# Altium PCB SkyWar.PcbDoc (part 1 of 3)
Units mm, origin at the board's own origin, x right, y up, seen from the top; angles counter-clockwise.
Board outline 85 x 56 mm, 2 copper layers (Top Layer, Bottom Layer), stack 1.67 mm thick; 109 components, 94 nets, 423 pads, 3756 vias.
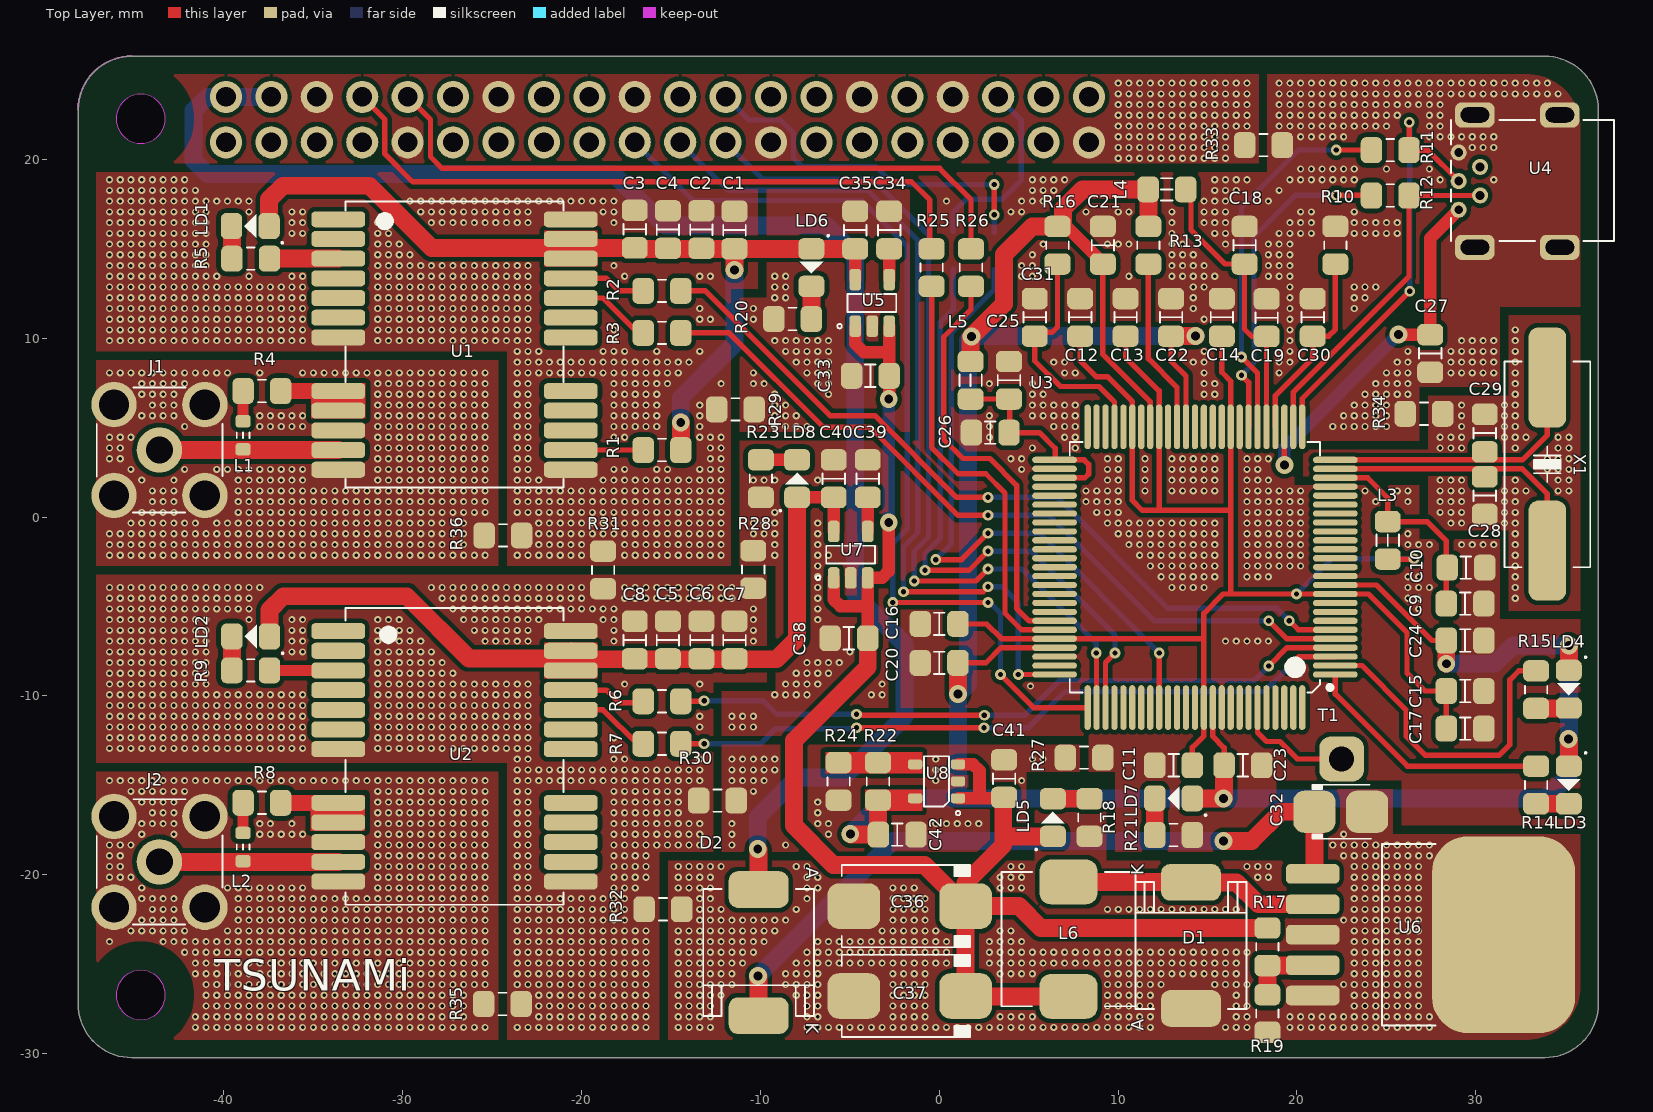
[diagram p0: Top Layer view]
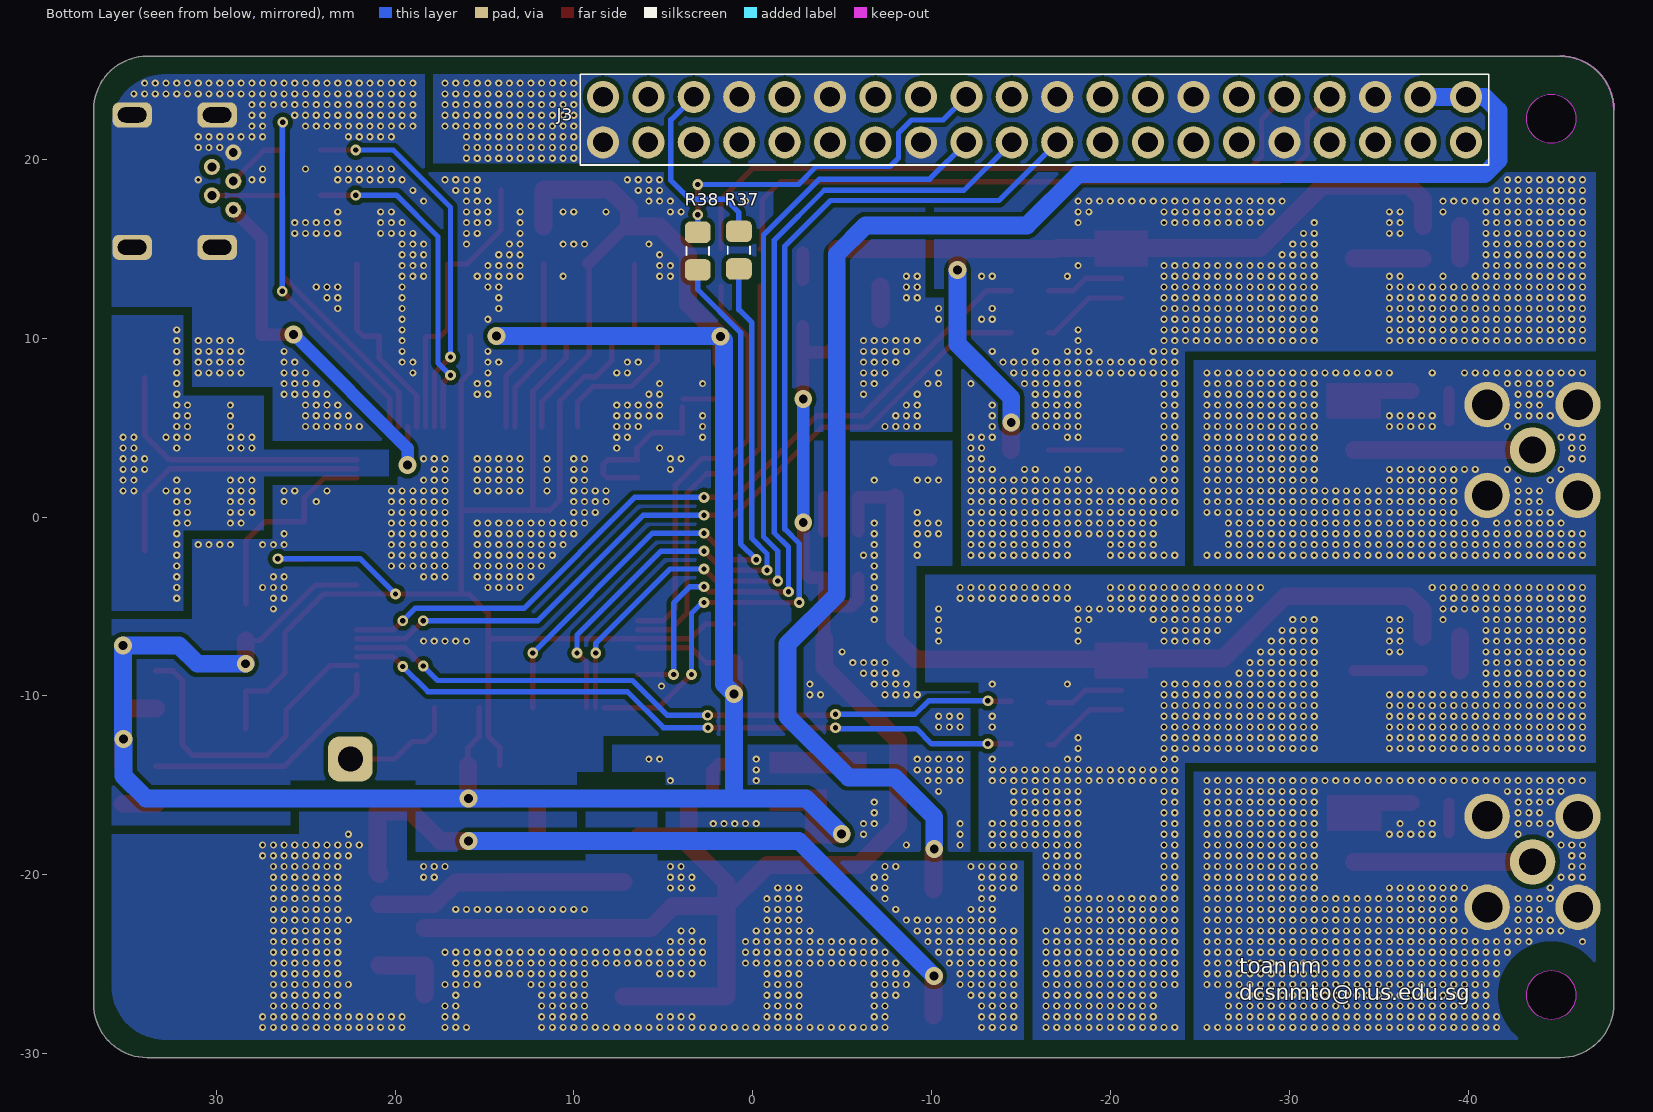
[diagram p1: Bottom Layer view, seen from below]

## Layer stack, top to bottom
Top Solder: solder mask 0.0102, Solder Resist, Dk 3.5
Top Layer: signal copper 0.035
Dielectric 1: dielectric 1.6, FR-4, Dk 4.8
Bottom Layer: signal copper 0.035
Bottom Solder: solder mask 0.0102, Solder Resist, Dk 3.5

## Board outline
-48.15,-27.225 ccw(c-45.15,-27.225) -45.15,-30.225 33.85,-30.225 ccw(c33.85,-27.225) 36.85,-27.225 36.85,22.775 ccw(c33.85,22.775) 33.85,25.775 -45.15,25.775 ccw(c-45.15,22.775) -48.15,22.775
cut-out: -46.025,22.275 ccw(c-44.65,22.275) -44.65,20.9 ccw(c-44.65,22.275) -43.275,22.275 ccw(c-44.65,22.275) -44.65,23.65 ccw(c-44.65,22.275)
cut-out: -46.025,-26.725 ccw(c-44.65,-26.725) -44.65,-28.1 ccw(c-44.65,-26.725) -43.275,-26.725 ccw(c-44.65,-26.725) -44.65,-25.35 ccw(c-44.65,-26.725)

## Design rules (kind name [scope] priority, off if disabled: settings)
Clearance [All] p1: gap=0.254
PolygonConnect [All] p1: connectstyle=Direct reliefconductorwidth=0.254 reliefentries=4 polygonreliefangle="90 Angle" airgapwidth=0.254
RoomDefinition Socket [InComponentClass('Socket')] p1: confinementstyle=ConfineIn formatcopy=TRUE lockcomponents=FALSE outline -324.195,-134.734 -273.395,-134.734 -273.395,-109.334 -324.195,-109.334
RoomDefinition POWER_SUPPLIES [InComponentClass('POWER_SUPPLIES')] p2: confinementstyle=ConfineIn formatcopy=TRUE lockcomponents=FALSE outline -324.195,-134.734 -273.395,-134.734 -273.395,-109.334 -324.195,-109.334
RoomDefinition MCU [InComponentClass('MCU')] p3: confinementstyle=ConfineIn formatcopy=TRUE lockcomponents=FALSE outline -324.195,-134.734 -273.395,-134.734 -273.395,-109.334 -324.195,-109.334
RoomDefinition GNSS_RECV [InComponentClass('GNSS_RECV')] p4: confinementstyle=ConfineIn formatcopy=TRUE lockcomponents=FALSE outline -324.195,-134.734 -273.395,-134.734 -273.395,-109.334 -324.195,-109.334
RoutingVias [All] p1: holewidth=0.3 width=0.6 viastyle="Through Hole" minholewidth=0.3 minwidth=0.6 maxholewidth=1.5 maxwidth=3
SolderMaskExpansion [All] p1: expansion=0.102
Width [All] p1: maxlimit=3 minlimit=0.254 preferedwidth=0.3 minimp=50.000000 maximp=50.000000 favimp=50.000000
30 further rules are at their usual default settings.

## Classes and differential pairs
component class Socket: J3 R25 R26 R37 R38
component class POWER_SUPPLIES: C32 C33 C34 C35 C36 C37 C38 C39 C40 C41 C42 D1 D2 L6 LD5 LD6 LD7 LD8 R17 R18 R19 R20 R21 R22 R23 R24 R27 R28 R29 R30 R31 R32 R33 R34 R35 R36 U5 U6 U7 U8
component class MCU: C9 C10 C11 C12 C13 C14 C15 C16 C17 C18 C19 C20 C21 C22 C23 C24 C25 C26 C27 C28 C29 C30 C31 L3 L4 L5 LD3 LD4 R10 R11 R12 R13 R14 R15 R16 T1 U3 U4 X1
component class GNSS_RECV: C1 C2 C3 C4 C5 C6 C7 C8 J1 J2 L1 L2 LD1 LD2 R1 R2 R3 R4 R5 R6 R7 R8 R9 U1 U2

## Components (designator, comment, footprint, x,y, rotation, side; value= is the part's Value field where it differs from the comment)
C1 "15pF" "C 0805" -11.45,16.05 r270 top
C2 "100nF" "C 0805" -13.3,16.075 r270 top
C3 "100nF" "C 0805" -17.025,16.1 r270 top
C4 "4.7uF" "C 0805" -15.175,16.075 r270 top
C5 "15pF" "C 0805" -15.175,-6.875 r270 top
C6 "100nF" "C 0805" -13.3,-6.875 r270 top
C7 "100nF" "C 0805" -11.45,-6.875 r270 top
C8 "4.7uF" "C 0805" -17.025,-6.875 r270 top
C9 "100nF" "C 0805" 29.4,-4.84 r180 top
C10 "2.2uF" "C 0805" 29.45,-2.825 r180 top
C11 "2.2uF" "C 0805" 13.1,-13.875 r0 top
C12 "100nF" "C 0805" 7.88,11.17 r270 top
C13 "100nF" "C 0805" 10.42,11.17 r270 top
C14 "100nF" "C 0805" 15.8,11.17 r270 top
C15 "100nF" "C 0805" 29.4,-9.725 r180 top
C16 "100nF" "C 0805" -0.005,-5.975 r0 top
C17 "100nF" "C 0805" 29.4,-11.825 r180 top
C18 "100nF" "C 0805" 17.07,15.2 r270 top
C19 "2.2uF" "C 0805" 18.3,11.15 r270 top
C20 "10uF" "C 0805" -0.005,-8.15 r0 top
C21 "100nF" "C 0805" 9.15,15.2 r270 top
C22 "100nF" "C 0805" 12.96,11.17 r270 top
C23 "100nF" "C 0805" 16.975,-13.875 r180 top
C24 "100nF" "C 0805" 29.4,-6.9 r180 top
C25 "2.2uF" "C 0805" 3.9,7.65 r270 top
C26 "100nF" "C 0805" 2.85,4.725 r0 top
C27 "10nF" "C 0805" 27.45,9.15 r270 top
C28 "18pF" "C 0805" 30.5,1.2 r90 top
C29 "18pF" "C 0805" 30.5,4.7 r270 top
C30 "15pF" "C 0805" 20.88,11.17 r270 top
C31 "100nF" "C 0805" 5.34,11.17 r270 top
C32 "100uF" "C TATAL 3528" 22.45,-16.475 r0 top
C33 "1uF" "C 0805" -3.85,7.9 r0 top
C34 "0.01uF" "C 0805" -2.8,16.05 r270 top
C35 "2.2uF" "C 0805" -4.7,16.05 r270 top
C36 "470uF" "C TATAL 7343" -1.65,-21.75 r180 top
C37 "470uF" "C TATAL 7343" -1.65,-26.775 r180 top
C38 "1uF" "C 0805" -5.05,-6.775 r0 top
C39 "0.01uF" "C 0805" -4,2.15 r270 top
C40 "2.2uF" "C 0805" -5.9,2.15 r270 top
C41 "4.7uF" "C 0805" 3.625,-14.625 r90 top
C42 "4.7uF" "C 0805" -2.35,-17.75 r0 top
D1 "DIODE SS34" "DIODE SS34" 14.075,-23.95 r90 top
D2 "DIODE SS34" "DIODE SS34" -10.1,-24.35 r270 top
J1 "SMA CONNECTOR" SMA_CONNECTOR -43.605,3.75 r180 top
J2 "SMA CONNECTOR" SMA_CONNECTOR -43.605,-19.275 r180 top
J3 "JP 20x2" "JP 20x2" -15.755,22.225 r0 bottom
L1 "22uH" "L 0603" -38.925,4.575 r270 top
L2 "22uH" "L 0603" -38.925,-18.45 r270 top
L3 "47nH" "L 0805" 25.075,-1.3 r90 top
L4 "47nH" "L 0805" 12.725,18.32 r0 top
L5 "47nH" "L 0805" 1.75,7.65 r270 top
L6 "100uH" "L 4600" 7.225,-26.6 r270 top
LD1 "LED 0805" "LED 0805" -38.525,16.275 r180 top
LD2 "LED 0805" "LED 0805" -38.5,-6.675 r180 top
LD3 "LED 0805" "LED 0805" 35.2,-14.975 r270 top
LD4 "LED 0805" "LED 0805" 35.2,-9.625 r270 top
LD5 "LED 0805" "LED 0805" 6.35,-16.8 r90 top
LD6 "LED 0805" "LED 0805" -7.15,13.95 r270 top
LD7 "LED 0805" "LED 0805" 13.1,-15.725 r180 top
LD8 "LED 0805" "LED 0805" -7.95,2.15 r90 top
R1 "10R" "R 0805" -15.5,3.75 r180 top
R2 "1K5" "R 0805" -15.5,12.65 r0 top
R3 "1K5R" "R 0805" -15.5,10.3 r0 top
R4 "10R" "R 0805" -37.875,7.05 r180 top
R5 "470" "R 0805" -38.5,14.45 r180 top
R6 "1K5" "R 0805" -15.5,-10.3 r0 top
R7 "1K5" "R 0805" -15.5,-12.675 r0 top
R8 "10R" "R 0805" -37.875,-15.975 r0 top
R9 "470" "R 0805" -38.5,-8.575 r180 top
R10 "6K8" "R 0805" 22.15,15.2 r270 top
R11 "39" "R 0805" 25.215,20.52 r0 top
R12 "39" "R 0805" 25.215,17.98 r0 top
R13 "100K" "R 0805" 11.69,15.2 r270 top
R14 "470" "R 0805" 33.375,-14.975 r270 top
R15 "470" "R 0805" 33.375,-9.65 r270 top
R16 "10K" "R 0805" 6.61,15.2 r90 top
R17 "2K2" "R 0805" 18.35,-24.025 r90 top
R18 "470" "R 0805" 8.4,-16.8 r90 top
R19 "1K" "R 0805" 18.35,-27.75 r90 top
R20 "470" "R 0805" -8.2,11.075 r0 top
R21 "470" "R 0805" 13.1,-17.775 r180 top
R22 "39K" "R 0805" -3.425,-14.775 r90 top
R23 "470" "R 0805" -9.975,2.15 r90 top
R24 "12K" "R 0805" -5.625,-14.775 r270 top
R25 "1K5R" "R 0805" -0.425,13.95 r270 top
R26 "1K5R" "R 0805" 1.775,13.95 r270 top
R27 "0" "R 0805" 8.1,-13.45 r0 top
R28 "0" "R 0805" -10.4,-2.925 r270 top
R29 "0" "R 0805" -11.4,6.025 r180 top
R30 "0" "R 0805" -12.4,-15.85 r0 top
R31 "0" "R 0805" -18.8,-2.95 r90 top
R32 "0" "R 0805" -15.45,-21.925 r180 top
R33 "0" "R 0805" 18.125,20.8 r180 top
R34 "0" "R 0805" 27.1,5.775 r0 top
R35 "0" "R 0805" -24.425,-27.225 r180 top
R36 "0" "R 0805" -24.4,-1.025 r180 top
R37 "0R" "R 0805" 0.775,14.925 r270 bottom
R38 "0R" "R 0805" 3.075,14.875 r270 bottom
T1 "TESTPOINT" TEST_POINT 22.5,-13.525 r0 top
U1 "UBLOX_NEO_7M" UBLOX_M8 -27.355,10.05 r90 top
U2 "UBLOX_6M" UBLOX_6P -27.28,-13.1 r90 top
U3 "SAM3A8C" SAM3A8C 14.295,-2.8 r180 top locked
U4 "USB MINI" "USB MINI DIP" 33.62,18.635 r270 top
U5 "LP2985" LP2985 -3.75,11.975 r90 top
U6 "LM2576 ADJ" "LM2576 ADJ" 27.75,-28.425 r180 top
U7 "LP2985" LP2985 -4.95,-2.1 r90 top
U8 "AP7365 ADJ" "AP7365 ADJ" -0.15,-14.775 r180 top
X1 "12MHz" XTAL 34,7.7 r90 top

## Footprints (in the part's own frame and the unit in brackets; to place one, negate y for a bottom-side part, rotate by r counter-clockwise, add the part's x,y. Pads: shape width x height; smd on the part's side, far side on the other; paste and mask are expansions set on the pad)
"AP7365 ADJ" [mm] "SOT23, 5-Leads, Body 2.95x2.75mm, Pitch 0.95mm, IPC Low Density"
  rrect50% 0.8x0.55 smd: 1(-1.2,0.95) 2(-1.2,0) 3(-1.2,-0.95) 4(1.2,-0.95) 5(1.2,0.95)
  silkscreen extent -1.33,-1.4 0.7,1.9, body extent -1.2,-1.5 1.2,1.5, height 1.13
"C 0805" [mm] "Chip Capacitor, 2-Leads, Body 2.00x1.20mm, IPC Low Density"
  rrect50% 1.2x1.45 smd: 1(-1.05,0) 2(1.05,0)
  silkscreen extent -0.3,-0.63 0.3,0.63, body extent -1.02,-0.73 1.17,0.72, height 0.89
"C TATAL 3528" [mm] "Molded Capacitor, 2-Leads, Body 3.50x2.80mm, IPC Low Density"
  rrect50% 2.35x2.35 smd: 1(-1.475,0) 2(1.475,0)
  silkscreen extent -1.6,-1.51 1.7,1.51, body extent -1.75,-1.51 1.95,1.42, height 2.03
"C TATAL 7343" [mm] "Molded Capacitor, 2-Leads, Body 7.30x4.30mm, IPC Low Density"
  rrect50% 2.95x2.55 smd: 1(-3.125,0) 2(3.125,0)
  silkscreen extent -3.37,-2.3 3.8,2.3, body extent -3.57,-2.25 3.83,2.2, height 3.01
"DIODE SS34" [mm] "SODFL, 2-Leads, Body 5.90x7.94mm, IPC Low Density"
  rrect50% 2.05x3.35 smd: A(-3.525,0) K(3.525,0)
  silkscreen extent -3.55,-3.1 3.55,3.1, body extent -4.04,-3 4.09,3.1, height 2.4
"JP 20x2" [mm]
  round 1.8 hole 1.1: 1(-24.13,-1.27) 2(-21.59,-1.27) 3(-19.05,-1.27) 4(-16.51,-1.27) 5(-13.97,-1.27) 6(-11.43,-1.27) 7(-8.89,-1.27) 8(-6.35,-1.27) 9(-3.81,-1.27) 10(-1.27,-1.27) 11(1.27,-1.27) 12(3.81,-1.27) 13(6.35,-1.27) 14(8.89,-1.27) 15(11.43,-1.27) 16(13.97,-1.27) 17(16.51,-1.27) 18(19.05,-1.27) 19(21.59,-1.27) 20(24.13,-1.27) 21(24.13,1.27) 22(21.59,1.27) 23(19.05,1.27) 24(16.51,1.27) 25(13.97,1.27) 26(11.43,1.27) 27(8.89,1.27) 28(6.35,1.27) 29(3.81,1.27) 30(1.27,1.27) 31(-1.27,1.27) 32(-3.81,1.27) 33(-6.35,1.27) 34(-8.89,1.27) 35(-11.43,1.27) 36(-13.97,1.27) 37(-16.51,1.27) 38(-19.05,1.27) 39(-21.59,1.27) 40(-24.13,1.27)
  silkscreen extent -25.4,-2.54 25.4,2.54, body extent -25.4,-2.54 25.4,2.54, height 4.5
"L 0603" [mm] "Chip Inductor, 2-Leads, Body 1.60x0.80mm, IPC Low Density"
  rrect50% 0.7x0.85 smd: 1(-0.788,0) 2(0.787,0)
  silkscreen extent -0.15,-0.35 0.15,0.35, body extent -0.8,-0.4 0.8,0.4, height 0.45
"L 0805" [mm] "Chip Inductor, 2-Leads, Body 2.00x1.20mm, IPC Low Density"
  rrect50% 1.2x1.45 smd: 1(-1.05,0) 2(1.05,0)
  silkscreen extent -0.32,-0.63 0.33,0.63, body extent -1,-0.62 1,0.62, height 0.52
"L 4600" [mm] "Precision Wire Wound Inductor, 2-Leads, Body 7.30x7.30mm, IPC Low Density"
  rrect50% 2.5x3.25 smd: 1(-6.2,0) 2(0.2,0)
  silkscreen extent -6.75,-3.75 0.75,3.75, body extent -6.71,-3.63 0.71,3.67, height 4.55
"LED 0805" [mm] "Chip Diode, 2-Leads, Body 2.00x1.20mm, IPC Low Density"
  rrect50% 1.2x1.45 smd: 1(-1.05,0) 2(1.05,0)
  silkscreen extent -1.84,-0.65 0.32,0.99, body extent -1.01,-0.62 1.01,0.63, height 1.12
"LM2576 ADJ" [mm]
  rrect50% 3x1.1 smd: 1(6.875,-8.475) 2(6.875,-6.775) 3(6.875,-5.075) 4(6.875,-3.375) 5(6.875,-1.675)
  rrect50% 8x11 smd: 3(-3.8,-5.075)
  silkscreen extent 0,-10.15 3,0, body extent -6.59,-10.16 7.43,0, height 4.66
LP2985 [mm] "SOT23, 5-Leads, Body 2.90x2.80mm, Pitch 0.95mm, IPC Low Density"
  rrect50% 1.2x0.65 smd: 1(-1.3,0.95) 2(-1.3,0) 3(-1.3,-0.95) 4(1.3,-0.95) 5(1.3,0.95)
  silkscreen extent -1.42,-1.35 0.5,1.95, body extent -1.4,-1.48 1.4,1.43, height 1.45
"R 0805" [mm] "Chip Capacitor, 2-Leads, Body 2.00x1.20mm, IPC Low Density"
  rrect50% 1.2x1.45 smd: 1(-1.05,0) 2(1.05,0)
  silkscreen extent -0.23,-0.63 0.22,0.63, body extent -1.15,-0.67 1.15,0.68, height 0.76
SAM3A8C [mm] "TSQFP, 100-Leads, Body 14.00x14.00mm, Pitch 0.50mm, IPC Low Density"
  oval 2.5x0.35 smd: 1(-7.85,6) 2(-7.85,5.5) 3(-7.85,5) 4(-7.85,4.5) 5(-7.85,4) 6(-7.85,3.5) 7(-7.85,3) 8(-7.85,2.5) 9(-7.85,2) 10(-7.85,1.5) 11(-7.85,1) 12(-7.85,0.5) 13(-7.85,0) 14(-7.85,-0.5) 15(-7.85,-1) 16(-7.85,-1.5) 17(-7.85,-2) 18(-7.85,-2.5) 19(-7.85,-3) 20(-7.85,-3.5) 21(-7.85,-4) 22(-7.85,-4.5) 23(-7.85,-5) 24(-7.85,-5.5) 25(-7.85,-6) 51(7.85,-6) 52(7.85,-5.5) 53(7.85,-5) 54(7.85,-4.5) 55(7.85,-4) 56(7.85,-3.5) 57(7.85,-3) 58(7.85,-2.5) 59(7.85,-2) 60(7.85,-1.5) 61(7.85,-1) 62(7.85,-0.5) 63(7.85,0) 64(7.85,0.5) 65(7.85,1) 66(7.85,1.5) 67(7.85,2) 68(7.85,2.5) 69(7.85,3) 70(7.85,3.5) 71(7.85,4) 72(7.85,4.5) 73(7.85,5) 74(7.85,5.5) 75(7.85,6)
  oval 0.35x2.5 smd: 26(-6,-7.85) 27(-5.5,-7.85) 28(-5,-7.85) 29(-4.5,-7.85) 30(-4,-7.85) 31(-3.5,-7.85) 32(-3,-7.85) 33(-2.5,-7.85) 34(-2,-7.85) 35(-1.5,-7.85) 36(-1,-7.85) 37(-0.5,-7.85) 38(0,-7.85) 39(0.5,-7.85) 40(1,-7.85) 41(1.5,-7.85) 42(2,-7.85) 43(2.5,-7.85) 44(3,-7.85) 45(3.5,-7.85) 46(4,-7.85) 47(4.5,-7.85) 48(5,-7.85) 49(5.5,-7.85) 50(6,-7.85) 76(6,7.85) 77(5.5,7.85) 78(5,7.85) 79(4.5,7.85) 80(4,7.85) 81(3.5,7.85) 82(3,7.85) 83(2.5,7.85) 84(2,7.85) 85(1.5,7.85) 86(1,7.85) 87(0.5,7.85) 88(0,7.85) 89(-0.5,7.85) 90(-1,7.85) 91(-1.5,7.85) 92(-2,7.85) 93(-2.5,7.85) 94(-3,7.85) 95(-3.5,7.85) 96(-4,7.85) 97(-4.5,7.85) 98(-5,7.85) 99(-5.5,7.85) 100(-6,7.85)
  silkscreen extent -7.68,-7 7,7, body extent -8.01,-8.03 8,7.99, height 1.6
SMA_CONNECTOR [mm]
  round 2.54 hole 1.5: 1(0,0)
  round 2.54 hole 1.7: 2(-2.54,2.54) 2(-2.54,-2.54) 2(2.54,2.54) 2(2.54,-2.54)
  silkscreen extent -3.52,-3.5 3.5,3.5, body extent -3.5,-3.5 11.6,3.5, height 9.86
TEST_POINT [mm]
  rrect50% 2.5x2.5 hole 1.4: 1(0,0)
UBLOX_6P [mm]
  rrect50% 0.9x3 smd: 1(6.725,6.325) 2(5.625,6.325) 3(4.525,6.325) 4(3.425,6.325) 5(2.325,6.325) 6(1.225,6.325) 7(0.125,6.325) 8(-2.875,6.325) 9(-3.975,6.325) 10(-5.075,6.325) 11(-6.175,6.325) 12(-7.275,6.325) 13(-7.275,-6.675) 14(-6.175,-6.675) 15(-5.075,-6.675) 16(-3.975,-6.675) 17(-2.875,-6.675) 18(0.125,-6.675) 19(1.225,-6.675) 20(2.325,-6.675) 21(3.425,-6.675) 22(4.525,-6.675) 23(5.625,-6.675) 24(6.725,-6.675)
  silkscreen extent -8.57,-6.27 8.03,5.93, body extent -8.52,-6.38 8.08,5.98, height 2.74
UBLOX_M8 [mm]
  rrect50% 0.9x3 smd: 1(6.6,6.25) 2(5.5,6.25) 3(4.4,6.25) 4(3.3,6.25) 5(2.2,6.25) 6(1.1,6.25) 7(0,6.25) 8(-3,6.25) 9(-4.1,6.25) 10(-5.2,6.25) 11(-6.3,6.25) 12(-7.4,6.25) 13(-7.4,-6.75) 14(-6.3,-6.75) 15(-5.2,-6.75) 16(-4.1,-6.75) 17(-3,-6.75) 18(0,-6.75) 19(1.1,-6.75) 20(2.2,-6.75) 21(3.3,-6.75) 22(4.4,-6.75) 23(5.5,-6.75) 24(6.6,-6.75)
  silkscreen extent -8.4,-6.35 7.6,5.85, body extent -8.4,-6.35 7.6,5.85, height 2.4
"USB MINI DIP" [mm]
  round 0.9 hole 0.5: 1(1.45,-4.575) 2(0.65,-3.375) 3(-0.15,-4.575) 4(-0.95,-3.375) 5(-1.75,-4.575)
  rrect50% 1.4x2.2 hole 0.85 slot 1.6 at 90 deg: 5(-3.85,1.075) 5(-3.85,-3.675) 5(3.55,1.075) 5(3.55,-3.675)
  silkscreen extent -3.57,-5 3.2,4.1, body extent -4.22,-4.68 3.92,4.15, height 3.95
XTAL [mm] "SODFL, 2-Leads, Body 4.70x12.70mm, IPC Low Density"
  rrect50% 5.6x2.1 smd: 1(-9.575,0) 2(0.1,0)
  silkscreen extent -10.5,-2.4 1,2.4, body extent -10.9,-2.33 1.4,2.37, height 4.4

## Part data
C1 C2 C3 C4 C5 C6 C7 C8 C9 C10 C11 C12 C13 C14 C15 C16 C17 C18 C19 C20 C21 C22 C23 C24 C25 C26 C27 C28 C29 C30 C31 C33 C34 C35 C38 C39 C40 C41 C42: library part "C 0805"
C32: library part "C TATAL 3528", "C TATAL 3528"
C36 C37: library part "C TATAL 7343", "C TATAL 7343"
J1 J2: library part ANT_SMA
L1 L2: library part "L 0603"
L3 L4 L5: library part "L 0805"
L6: library part "L 4600"
R1 R2 R3 R4 R5 R6 R7 R8 R9 R10 R11 R12 R13 R14 R15 R16 R17 R18 R19 R20 R21 R22 R23 R24 R25 R26 R27 R28 R29 R30 R31 R32 R33 R34 R35 R36 R37 R38: library part "R 0805"
T1: library part TEST_POINT
U1: library part UBLOX_M8
U2: library part UBLOX_6P, "UBLOX_NEO_6P"
U4: library part "USB TYPE B"
U5 U7: library part "LP2985 LDO"
X1: library part XTAL

## Via types
v1: diameter 0.4, hole 0.2, Top Layer to Bottom Layer, tented both sides, 3702 vias
v2: diameter 0.6, hole 0.3, Top Layer to Bottom Layer, tented both sides, 37 vias
v3: diameter 1, hole 0.5, Top Layer to Bottom Layer, tented both sides, 17 vias

## Nets (pads, with @x,y where several pads share a name; then routed paths per layer and width w, separated by ;. In a path a pad name is that pad's centre, name@x,y a point inside that pad or via, vN(x,y) a via of type N, cw(c..) or ccw(c..) an arc to the next point about the centre after c; other vN are vias at no path point)
3.3V: C20.2 C21.2 C22.2 C23.2 C24.2 C42.1 L4.1 L5.1 LD3.1 LD4.1 LD7.1 R13.1 R16.2 R22.1 U3.11 U3.39 U3.43 U3.72 U3.90 U8.5 | length 163.5
  Top Layer w0.3: C20.2@1.045,-8.15 2.6,-8.15 3.45,-7.3 U3.72@6.445,-7.3 ; C21.2@9.15,14.15 9.15,9.1 11.795,6.455 U3.43@11.795,5.05 ; C22.2@12.96,10.12 12.96,8.715 13.795,7.88 U3.39@13.795,5.05 ; U3.90@15.295,-10.65 15.295,-12.27 15.925,-12.9 C23.2@15.925,-13.875 ; U3.11@22.145,-3.8 24.45,-3.8 27.55,-6.9 C24.2@28.35,-6.9
  Top Layer w0.7: R16.2@6.91,16.25 7.125,16.25 C21.2@9.188,14.188
  Top Layer w1: v3(-4.975,-17.725) -4.95,-17.75 C42.1@-3.4,-17.75 -3.425,-17.725 R22.1@-3.425,-15.825 ; R22.1@-3.4,-15.8 R22.1@-3.325,-15.725 ; v3(1.045,-9.895) C20.2@1.045,-8.15 ; L5.1@1.75,8.7 1.75,10.05 v3(1.8,10.1) 3.625,11.925 3.625,14.675 5.2,16.25 R16.2@6.61,16.25 ; R16.2@6.91,16.25 6.91,17.225 8.005,18.32 L4.1@11.675,18.32 11.69,18.305 R13.1@11.69,16.25 ; C22.2@12.96,10.12 14.32,10.12 v3(14.325,10.125) ; LD7.1@14.15,-15.725 v3(15.9,-15.725) 15.925,-15.7 C23.2@15.925,-13.875 ; v3(28.35,-8.2) C24.2@28.35,-6.9 ; v3(35.175,-12.4) 35.175,-12.45 35.225,-12.5 35.2,-12.525 LD3.1@35.2,-13.925 ; LD4.1@35.2,-8.575 v3(35.2,-7.175)
  Bottom Layer w1: v3(-4.975,-17.725) -2.975,-15.725 1.045,-15.725 ; v3(1.045,-9.895) 1.045,-15.725 ; v3@1.05,-9.895 1.6,-9.345 1.6,9.9 v3(1.8,10.1) ; v3@1.8,10.125 v3(14.325,10.125) ; v3(28.35,-8.2) 31.05,-8.2 32.075,-7.175 v3(35.2,-7.175) 35.2,-12.375 v3(35.175,-12.4) 35.175,-14.475 33.925,-15.725 v3(15.9,-15.725) 1.045,-15.725
3.3V_6M: C5.2 C6.2 C7.2 C8.2 C40.2 LD2.1 LD8.1 U2.22 U2.23 U7.5 | length 45.3
  Top Layer w0.7: LD8.1@-7.95,1.1 C40.2@-5.9,1.1 U7.5@-5.9,-0.8
  Top Layer w1: LD2.1@-37.45,-6.675 -37.45,-5.2 -36.675,-4.425 -29.775,-4.425 -26.3,-7.9 U2.23@-20.525,-7.9 ; U2.23@-20.605,-7.475 -20.13,-7.95 -9.1,-7.95 -7.95,-6.8 LD8.1@-7.95,1.1
3.3V_7M: C1.2 C2.2 C3.2 C4.2 C35.2 LD1.1 LD6.1 R1.1 U1.22 U1.23 U5.5 | length 50.3
  Top Layer w0.7: U5.5@-4.7,13.275 C35.2@-4.7,15
  Top Layer w1: LD1.1@-37.475,16.275 -37.475,17.75 -36.7,18.525 -31.85,18.525 -28.375,15.05 -20.55,15.05 C3.2@-17.025,15.05 -16.975,15 C1.2@-11.45,15 ; v3(-14.455,5.3) -14.45,5.295 R1.1@-14.45,3.75 ; v3(-11.455,13.825) -11.45,13.83 C1.2@-11.45,15 ; C35.2@-4.7,15 C1.2@-11.45,15
  Bottom Layer w1: v3(-14.455,5.3) -14.455,6.675 -11.455,9.675 v3(-11.455,13.825)
4V: C33.2 C36.1 C37.1 C38.2 C41.1 L6.2 LD5.1 R17.2 U5.1 U5.3 U7.1 U7.3 U8.1 U8.3 | length 91.4
  Top Layer w0.7: U7.1@-5.9,-3.4 -5.9,-4.6 -5.525,-4.975 -4.025,-4.975 -4,-5 ; U5.1@-4.7,10.675 -4.7,9.7 -4.225,9.225 -2.8,9.225 ; C38.2@-4,-6.775 -4,-5 ; v3(-2.825,-0.3) -2.825,-3.025 -3.2,-3.4 U7.3@-4,-3.4 -4,-5 ; v3(-2.825,6.6) -2.8,6.625 C33.2@-2.8,7.9 ; C33.2@-2.8,8.15 -2.8,9.225 ; U5.3@-2.8,10.675 -2.8,9.225 ; U8.1@1.05,-15.725 2.25,-15.725 ; U8.3@1.05,-13.825 1.9,-13.825 2.25,-14.175 2.25,-15.725 ; C41.1@3.575,-15.725 2.25,-15.725
  Top Layer w1: C38.2@-4,-6.775 -4,-8.375 -8.125,-12.5 -8.125,-17.25 -5.925,-19.45 -0.825,-19.45 C36.1@1.475,-21.75 ; C41.1@3.575,-15.725 3.575,-17.775 ; LD5.1@6.35,-17.85 3.65,-17.85 3.575,-17.775 ; L6.2@7.225,-26.8 1.5,-26.8 C37.1@1.475,-26.775 C36.1@1.475,-21.75 ; R17.2@18.35,-22.975 5.675,-22.975 4.45,-21.75 C36.1@1.475,-21.75 ; C36.1@1.475,-21.75 1.475,-20.45 3.575,-18.35 3.575,-17.775
  Bottom Layer w0.7: v3(-2.825,-0.3) v3(-2.825,6.6)
5V_PI: D2.A J3.1 J3.2 | length 88.2
  Top Layer w1: v3(-10.15,-18.55) -10.1,-18.6 D2.A@-10.1,-20.825
  Bottom Layer w1: J3.2@-37.345,23.495 J3.1@-39.885,23.495 -40.93,23.495 -41.7,22.725 -41.7,19.95 -40.925,19.175 -18.2,19.175 -15.325,16.3 -6.3,16.3 -4.7,14.7 -4.7,-4.35 -1.95,-7.1 -1.95,-11.15 -5.35,-14.55 -7.925,-14.55 -10.15,-16.775 v3(-10.15,-18.55)
6M_PULSE: R9.1 U2.3 | length 3.8
  Top Layer w0.6: R9.1@-37.45,-8.575 U2.3@-33.605,-8.575
6M_RXD: R6.1 U2.21 | length 4.3
  Top Layer w0.3: U2.21@-20.605,-9.675 -18.605,-9.675 -17.905,-10.375 R6.1@-16.55,-10.375
6M_TXD: R7.1 U2.20 | length 4.9
  Top Layer w0.3: U2.20@-20.605,-10.775 -18.805,-10.775 -16.855,-12.725 R7.1@-16.55,-12.725
7M_PULSE: R5.1 U1.3 | length 3.8
  Top Layer w1: R5.1@-37.45,14.45 U1.3@-33.605,14.45
7M_RXD: R2.1 U1.21 | length 4.3
  Top Layer w0.3: U1.21@-20.605,13.35 -18.605,13.35 -17.905,12.65 R2.1@-16.55,12.65
7M_TXD: R3.1 U1.20 | length 4.9
  Top Layer w0.3: U1.20@-20.605,12.25 -18.805,12.25 -16.855,10.3 R3.1@-16.55,10.3
DFSDM: R12.1 U3.32 | length 18.6
  Top Layer w0.3: v2(16.9,7.925) 17.295,7.53 U3.32@17.295,5.05 ; v2(22.2,18) R12.1@24.145,18
  Bottom Layer w0.3: v2(16.9,7.925) 17.6,8.625 17.6,15.675 19.925,18 v2(22.2,18)
DFSDP: R11.1 U3.31 | length 21.2
  Top Layer w0.3: v2(16.9,8.95) 17.795,8.055 U3.31@17.795,5.05 ; v2(22.2,20.525) R11.1@24.16,20.525
  Bottom Layer w0.3: v2(16.9,8.95) 16.9,17.325 20.1,20.525 v2(22.2,20.525)
ERASE: T1.1 U3.95 | length 6.7
  Top Layer w0.3: U3.95@17.795,-10.65 17.795,-12.045 18.3,-12.55 19.05,-12.55 20.025,-13.525 T1.1@22.5,-13.525
GLED: R15.1 U3.2 | length 18.3
  Top Layer w0.3: U3.2@22.145,-8.3 23.625,-8.3 26.1,-10.775 26.1,-12.25 27.175,-13.325 31.3,-13.325 31.9,-12.725 31.9,-9.1 32.4,-8.6 R15.1@33.375,-8.6
GND: C9.1 C10.1 C11.1 C12.1 C13.1 C14.1 C15.1 C16.1 C17.1 C18.1 C19.1 C20.1 C21.1 C22.1 C23.1 C24.1 C25.1 C26.1 C27.2 C30.1 C31.1 R10.1 R21.1 R27.2 R33.1 R34.1 U3.12 U3.22 U3.33 U3.41 U3.44 U3.52 U3.73 U3.91 U4.5
  other v1: 5.1,-9.45 16.004,-6.934 16.604,-6.934 17.204,-6.934 17.804,-6.934 18.404,-6.934 26.804,-5.134 26.204,-4.534 26.804,-4.534 13.004,-3.934 13.604,-3.934 14.204,-3.934 14.804,-3.934 26.204,-3.934 26.804,-3.934 27.404,-3.934 12.404,-3.334 13.004,-3.334 13.604,-3.334 14.204,-3.334 14.804,-3.334 15.404,-3.334 17.204,-3.334 17.804,-3.334 18.404,-3.334 26.204,-3.334 26.804,-3.334 11.804,-2.734 12.404,-2.734 13.004,-2.734 13.604,-2.734 14.204,-2.734 14.804,-2.734 15.404,-2.734 17.204,-2.734 17.804,-2.734 18.404,-2.734 19.004,-2.734 19.604,-2.734 20.204,-2.734 11.204,-2.134 11.804,-2.134 12.404,-2.134 13.004,-2.134 13.604,-2.134 14.204,-2.134 14.804,-2.134 15.404,-2.134 17.204,-2.134 17.804,-2.134 18.404,-2.134 19.004,-2.134 19.604,-2.134 20.204,-2.134 10.604,-1.534 11.204,-1.534 11.804,-1.534 12.404,-1.534 13.004,-1.534 13.604,-1.534 14.204,-1.534 14.804,-1.534 15.404,-1.534 17.204,-1.534 17.804,-1.534 18.404,-1.534 19.004,-1.534 19.604,-1.534 20.204,-1.534 26.204,-1.534 26.804,-1.534 27.404,-1.534 29.204,-1.534 29.804,-1.534 30.404,-1.534 31.004,-1.534 10.004,-0.934 10.604,-0.934 11.204,-0.934 11.804,-0.934 12.404,-0.934 13.004,-0.934 13.604,-0.934 14.204,-0.934 14.804,-0.934 15.404,-0.934 17.204,-0.934 17.804,-0.934 18.404,-0.934 19.004,-0.934 19.604,-0.934 20.204,-0.934 26.204,-0.934 9.404,-0.334 10.004,-0.334 10.604,-0.334 11.204,-0.334 11.804,-0.334 12.404,-0.334 13.004,-0.334 13.604,-0.334 14.204,-0.334 14.804,-0.334 15.404,-0.334 17.204,-0.334 17.804,-0.334 18.404,-0.334 19.004,-0.334 19.604,-0.334 20.204,-0.334 8.804,0.266 9.404,0.266 10.004,0.266 17.204,0.266 17.804,0.266 18.404,0.266 19.004,0.266 19.604,0.266 20.204,0.266 8.204,0.866 8.804,0.866 9.404,0.866 10.004,0.866 17.204,0.866 17.804,0.866 18.404,0.866 19.004,0.866 19.604,0.866 20.204,0.866 24.404,0.866 26.204,0.866 8.204,1.466 8.804,1.466 9.404,1.466 10.004,1.466 11.504,1.466 13.004,1.466 13.604,1.466 14.204,1.466 14.804,1.466 15.404,1.466 17.204,1.466 17.804,1.466 18.404,1.466 19.004,1.466 19.604,1.466 20.204,1.466 23.804,1.466 25.604,1.466 26.204,1.466 9.404,2.066 10.004,2.066 11.504,2.066 13.004,2.066 13.604,2.066 14.204,2.066 14.804,2.066 15.404,2.066 17.204,2.066 17.804,2.066 18.404,2.066 4.604,2.666 9.404,2.666 10.004,2.666 11.504,2.666 13.004,2.666 13.604,2.666 14.204,2.666 14.804,2.666 15.404,2.666 17.204,2.666 17.804,2.666 4.004,3.266 4.604,3.266 9.404,3.266 10.004,3.266 11.504,3.266 13.004,3.266 13.604,3.266 14.204,3.266 14.804,3.266 15.404,3.266 17.204,3.266 17.804,3.266 18.404,3.266 5.204,3.866 7.604,3.866 2.804,4.466 7.004,4.466 7.604,4.466 2.804,5.066 6.404,5.066 7.004,5.066 7.604,5.066 22.004,5.066 22.604,5.066 23.204,5.066 23.804,5.066 24.404,5.066 25.004,5.066 2.804,5.666 5.204,5.666 5.804,5.666 6.404,5.666 7.004,5.666 7.604,5.666 22.604,5.666 23.204,5.666 23.804,5.666 24.404,5.666 25.004,5.666 5.204,6.266 5.804,6.266 6.404,6.266 7.004,6.266 7.604,6.266 23.204,6.266 23.804,6.266 24.404,6.266 25.004,6.266 5.204,6.866 5.804,6.866 14.804,6.866 15.404,6.866 23.804,6.866 24.404,6.866 25.004,6.866 25.604,6.866 26.204,6.866 2.804,7.466 5.204,7.466 14.804,7.466 15.404,7.466 24.404,7.466 25.004,7.466 25.604,7.466 26.204,7.466 7.004,8.066 7.604,8.066 14.804,8.066 19.004,8.066 25.004,8.066 25.604,8.066 26.204,8.066 28.604,8.066 29.204,8.066 29.804,8.066 30.404,8.066 31.004,8.066 6.404,8.666 7.004,8.666 14.204,8.666 14.804,8.666 19.004,8.666 19.604,8.666 25.604,8.666 26.204,8.666 28.604,8.666 29.204,8.666 29.804,8.666 30.404,8.666 31.004,8.666 14.804,9.266 19.604,9.266 26.204,9.266 28.604,9.266 29.204,9.266 29.804,9.266 30.404,9.266 31.004,9.266 19.604,9.866 29.204,9.866 29.804,9.866 30.404,9.866 31.004,9.866 19.604,10.466 14.804,11.066 19.604,11.066 14.204,11.666 19.604,11.666 23.204,11.666 14.204,12.266 19.604,12.266 23.204,12.266 23.804,12.266 14.204,12.866 14.804,12.866 19.604,12.866 23.204,12.866 23.804,12.866 24.404,12.866 4.604,13.466 5.204,13.466 10.604,13.466 13.004,13.466 13.604,13.466 14.204,13.466 14.804,13.466 15.404,13.466 18.404,13.466 19.004,13.466 19.604,13.466 4.604,14.066 5.204,14.066 13.004,14.066 13.604,14.066 14.204,14.066 14.804,14.066 18.404,14.066 19.004,14.066 19.604,14.066 5.204,14.666 13.004,14.666 13.604,14.666 14.204,14.666 18.404,14.666 19.004,14.666 19.604,14.666 5.804,15.266 9.404,15.266 10.004,15.266 10.604,15.266 13.004,15.266 13.604,15.266 16.004,15.266 18.404,15.266 19.004,15.266 19.604,15.266 13.004,15.866 15.404,15.866 16.004,15.866 19.004,15.866 19.604,15.866 20.204,15.866 20.804,15.866 23.204,15.866 23.804,15.866 24.404,15.866 25.004,15.866 25.604,15.866 13.004,16.466 14.804,16.466 15.404,16.466 16.004,16.466 19.604,16.466 20.204,16.466 20.804,16.466 23.204,16.466 23.804,16.466 24.404,16.466 25.004,16.466 25.604,16.466 4.004,17.066 4.604,17.066 8.204,17.066 10.004,17.066 10.604,17.066 13.004,17.066 14.804,17.066 15.404,17.066 16.004,17.066 20.204,17.066 20.804,17.066 23.204,17.066 0.404,17.666 4.604,17.666 5.204,17.666 5.804,17.666 14.804,17.666 15.404,17.666 16.004,17.666 18.404,17.666 5.204,18.266 5.804,18.266 6.404,18.266 15.404,18.266 16.004,18.266 16.604,18.266 19.004,18.266 5.204,18.866 5.804,18.866 6.404,18.866 7.004,18.866 15.404,18.866 16.004,18.866 16.604,18.866 17.204,18.866 19.604,18.866 20.204,18.866 20.804,18.866 21.404,18.866 22.004,18.866 22.604,18.866 23.204,18.866 27.404,18.866 28.004,18.866 31.004,18.866 20.204,19.466 20.804,19.466 21.404,19.466 22.004,19.466 22.604,19.466 23.204,19.466 25.004,19.466 27.404,19.466 29.804,20.666 30.404,20.666 31.004,20.666 20.204,21.266 20.804,21.266 21.404,21.266 22.004,21.266 22.604,21.266 27.404,21.266 28.004,21.266 28.604,21.266 29.204,21.266 29.804,21.266 30.404,21.266 31.004,21.266 19.004,21.866 19.604,21.866 20.204,21.866 20.804,21.866 21.404,21.866 22.004,21.866 22.604,21.866 23.204,21.866 23.804,21.866 24.404,21.866 25.004,21.866 27.404,21.866 28.004,21.866 19.004,22.466 19.604,22.466 20.204,22.466 20.804,22.466 21.404,22.466 22.004,22.466 22.604,22.466 23.204,22.466 23.804,22.466 24.404,22.466 25.004,22.466 25.604,22.466 27.404,22.466 28.004,22.466 19.004,23.066 19.604,23.066 20.204,23.066 20.804,23.066 21.404,23.066 22.004,23.066 22.604,23.066 23.204,23.066 23.804,23.066 24.404,23.066 25.004,23.066 25.604,23.066 26.204,23.066 26.804,23.066 27.404,23.066 28.004,23.066 19.004,23.666 19.604,23.666 20.204,23.666 20.804,23.666 21.404,23.666 22.004,23.666 22.604,23.666 23.204,23.666 23.804,23.666 24.404,23.666 25.004,23.666 25.604,23.666 26.204,23.666 26.804,23.666 27.404,23.666 28.004,23.666 28.604,23.666 29.204,23.666 29.804,23.666 30.404,23.666 31.004,23.666 31.604,23.666 32.204,23.666 32.804,23.666 33.404,23.666 34.004,23.666 34.604,23.666 19.004,24.266 19.604,24.266 20.204,24.266 20.804,24.266 21.404,24.266 22.004,24.266 22.604,24.266 23.204,24.266 23.804,24.266 24.404,24.266 25.004,24.266 25.604,24.266 26.204,24.266 26.804,24.266 27.404,24.266 28.004,24.266 28.604,24.266 29.204,24.266 29.804,24.266 30.404,24.266 31.004,24.266 31.604,24.266 32.204,24.266 32.804,24.266 33.404,24.266 34.004,24.266
GND_6M: C5.1 C6.1 C7.1 C8.1 R28.2 R30.1 R31.1 R32.2 R35.1 U2.7 U2.13 U2.24
  other v1: -23.596,-28.534 -22.996,-28.534 -22.396,-28.534 -21.796,-28.534 -21.196,-28.534 -20.596,-28.534 -19.996,-28.534 -19.396,-28.534 -18.796,-28.534 -18.196,-28.534 -17.596,-28.534 -16.996,-28.534 -16.396,-28.534 -22.396,-27.934 -21.796,-27.934 -21.196,-27.934 -20.596,-27.934 -19.996,-27.934 -19.396,-27.934 -18.796,-27.934 -18.196,-27.934 -17.596,-27.934 -16.996,-27.934 -16.396,-27.934 -22.396,-27.334 -21.796,-27.334 -21.196,-27.334 -20.596,-27.334 -19.996,-27.334 -19.396,-27.334 -18.796,-27.334 -18.196,-27.334 -17.596,-27.334 -16.996,-27.334 -16.396,-27.334 -22.396,-26.734 -21.796,-26.734 -21.196,-26.734 -20.596,-26.734 -19.996,-26.734 -19.396,-26.734 -18.796,-26.734 -18.196,-26.734 -17.596,-26.734 -16.996,-26.734 -16.396,-26.734 -23.596,-26.134 -22.996,-26.134 -22.396,-26.134 -21.796,-26.134 -21.196,-26.134 -20.596,-26.134 -19.996,-26.134 -19.396,-26.134 -18.796,-26.134 -18.196,-26.134 -17.596,-26.134 -16.996,-26.134 -16.396,-26.134 -23.596,-25.534 -22.996,-25.534 -22.396,-25.534 -21.796,-25.534 -21.196,-25.534 -20.596,-25.534 -19.996,-25.534 -19.396,-25.534 -18.796,-25.534 -18.196,-25.534 -17.596,-25.534 -16.996,-25.534 -16.396,-25.534 -23.596,-24.934 -22.996,-24.934 -22.396,-24.934 -21.796,-24.934 -21.196,-24.934 -20.596,-24.934 -19.996,-24.934 -19.396,-24.934 -18.796,-24.934 -18.196,-24.934 -17.596,-24.934 -16.996,-24.934 -16.396,-24.934 -23.596,-24.334 -22.996,-24.334 -22.396,-24.334 -21.796,-24.334 -21.196,-24.334 -20.596,-24.334 -19.996,-24.334 -19.396,-24.334 -18.796,-24.334 -18.196,-24.334 -17.596,-24.334 -16.996,-24.334 -16.396,-24.334 -23.596,-23.734 -22.996,-23.734 -22.396,-23.734 -21.796,-23.734 -21.196,-23.734 -20.596,-23.734 -19.996,-23.734 -19.396,-23.734 -18.796,-23.734 -18.196,-23.734 -17.596,-23.734 -16.996,-23.734 -16.396,-23.734 -23.596,-23.134 -22.996,-23.134 -22.396,-23.134 -21.796,-23.134 -21.196,-23.134 -20.596,-23.134 -19.996,-23.134 -19.396,-23.134 -18.796,-23.134 -18.196,-23.134 -17.596,-23.134 -16.996,-23.134 -16.396,-23.134 -23.596,-22.534 -22.996,-22.534 -22.396,-22.534 -21.796,-22.534 -21.196,-22.534 -20.596,-22.534 -19.996,-22.534 -19.396,-22.534 -18.796,-22.534 -18.196,-22.534 -17.596,-22.534 -23.596,-21.934 -22.996,-21.934 -22.396,-21.934 -21.796,-21.934 -21.196,-21.934 -20.596,-21.934 -19.996,-21.934 -19.396,-21.934 -18.796,-21.934 -18.196,-21.934 -17.596,-21.934 -23.596,-21.334 -22.996,-21.334 -22.396,-21.334 -21.796,-21.334 -21.196,-21.334 -20.596,-21.334 -19.996,-21.334 -19.396,-21.334 -18.796,-21.334 -18.196,-21.334 -17.596,-21.334 -23.596,-20.734 -22.996,-20.734 -18.196,-20.734 -17.596,-20.734 -16.996,-20.734 -23.596,-20.134 -22.996,-20.134 -18.196,-20.134 -17.596,-20.134 -16.996,-20.134 -16.396,-20.134 -23.596,-19.534 -22.996,-19.534 -18.196,-19.534 -17.596,-19.534 -16.996,-19.534 -16.396,-19.534 -23.596,-18.934 -22.996,-18.934 -18.196,-18.934 -17.596,-18.934 -16.996,-18.934 -16.396,-18.934 -23.596,-18.334 -22.996,-18.334 -18.196,-18.334 -17.596,-18.334 -16.996,-18.334 -16.396,-18.334 -15.796,-18.334 -15.196,-18.334 -14.596,-18.334 -13.996,-18.334 -13.396,-18.334 -23.596,-17.734 -22.996,-17.734 -18.196,-17.734 -17.596,-17.734 -16.996,-17.734 -16.396,-17.734 -15.796,-17.734 -15.196,-17.734 -14.596,-17.734 -13.996,-17.734 -13.396,-17.734 -23.596,-17.134 -22.996,-17.134 -18.196,-17.134 -17.596,-17.134 -16.996,-17.134 -16.396,-17.134 -15.796,-17.134 -15.196,-17.134 -14.596,-17.134 -13.996,-17.134 -13.396,-17.134 -23.596,-16.534 -22.996,-16.534 -18.196,-16.534 -17.596,-16.534 -16.996,-16.534 -16.396,-16.534 -15.796,-16.534 -15.196,-16.534 -14.596,-16.534 -23.596,-15.934 -22.996,-15.934 -18.196,-15.934 -17.596,-15.934 -16.996,-15.934 -16.396,-15.934 -15.796,-15.934 -15.196,-15.934 -14.596,-15.934 -23.596,-15.334 -22.996,-15.334 -18.196,-15.334 -17.596,-15.334 -16.996,-15.334 -16.396,-15.334 -15.796,-15.334 -15.196,-15.334 -14.596,-15.334 -23.596,-14.734 -22.996,-14.734 -22.396,-14.734 -21.796,-14.734 -21.196,-14.734 -20.596,-14.734 -19.996,-14.734 -19.396,-14.734 -18.796,-14.734 -18.196,-14.734 -17.596,-14.734 -16.996,-14.734 -16.396,-14.734 -15.796,-14.734 -15.196,-14.734 -14.596,-14.734 -13.996,-14.734 -13.396,-14.734 -23.596,-14.134 -22.996,-14.134 -22.396,-14.134 -21.796,-14.134 -21.196,-14.134 -20.596,-14.134 -19.996,-14.134 -19.396,-14.134 -18.796,-14.134 -18.196,-14.134 -17.596,-14.134 -16.996,-14.134 -16.396,-14.134 -15.796,-14.134 -15.196,-14.134 -14.596,-14.134 -13.996,-14.134 -13.396,-14.134 -23.596,-13.534 -22.996,-13.534 -18.196,-13.534 -17.596,-13.534 -13.396,-13.534 -46.396,-12.934 -45.796,-12.934 -45.196,-12.934 -44.596,-12.934 -43.996,-12.934 -43.396,-12.934 -42.796,-12.934 -42.196,-12.934 -41.596,-12.934 -40.996,-12.934 -40.396,-12.934 -39.796,-12.934 -39.196,-12.934 -38.596,-12.934 -37.996,-12.934 -37.396,-12.934 -36.796,-12.934 -36.196,-12.934 -35.596,-12.934 -31.396,-12.934 -30.796,-12.934 -30.196,-12.934 -29.596,-12.934 -28.996,-12.934 -28.396,-12.934 -27.796,-12.934 -27.196,-12.934 -26.596,-12.934 -25.996,-12.934 -25.396,-12.934 -24.796,-12.934 -24.196,-12.934 -23.596,-12.934 -22.996,-12.934 -18.196,-12.934 -46.396,-12.334 -45.796,-12.334 -45.196,-12.334 -44.596,-12.334 -43.996,-12.334 -43.396,-12.334 -42.796,-12.334 -42.196,-12.334 -41.596,-12.334 -40.996,-12.334 -40.396,-12.334 -39.796,-12.334 -39.196,-12.334 -38.596,-12.334 -37.996,-12.334 -37.396,-12.334 -36.796,-12.334 -36.196,-12.334 -35.596,-12.334 -31.396,-12.334 -30.796,-12.334 -30.196,-12.334 -29.596,-12.334 -28.996,-12.334 -28.396,-12.334 -27.796,-12.334 -27.196,-12.334 -26.596,-12.334 -25.996,-12.334 -25.396,-12.334 -24.796,-12.334 -24.196,-12.334 -23.596,-12.334 -22.996,-12.334 -18.196,-12.334 -46.396,-11.734 -45.796,-11.734 -45.196,-11.734 -44.596,-11.734 -43.996,-11.734 -43.396,-11.734 -42.796,-11.734 -42.196,-11.734 -41.596,-11.734 -40.996,-11.734 -40.396,-11.734 -39.796,-11.734 -39.196,-11.734 -38.596,-11.734 -37.996,-11.734 -37.396,-11.734 -36.796,-11.734 -36.196,-11.734 -35.596,-11.734 -31.396,-11.734 -30.796,-11.734 -30.196,-11.734 -29.596,-11.734 -28.996,-11.734 -28.396,-11.734 -27.796,-11.734 -27.196,-11.734 -26.596,-11.734 -25.996,-11.734 -25.396,-11.734 -24.796,-11.734 -24.196,-11.734 -23.596,-11.734 -22.996,-11.734 -13.396,-11.734 -46.396,-11.134 -45.796,-11.134 -45.196,-11.134 -44.596,-11.134 -43.996,-11.134 -43.396,-11.134 -42.796,-11.134 -42.196,-11.134 -41.596,-11.134 -40.996,-11.134 -40.396,-11.134 -39.796,-11.134 -39.196,-11.134 -38.596,-11.134 -37.996,-11.134 -37.396,-11.134 -36.796,-11.134 -36.196,-11.134 -35.596,-11.134 -31.396,-11.134 -30.796,-11.134 -30.196,-11.134 -29.596,-11.134 -28.996,-11.134 -28.396,-11.134 -27.796,-11.134 -27.196,-11.134 -26.596,-11.134 -25.996,-11.134 -25.396,-11.134 -24.796,-11.134 -24.196,-11.134 -23.596,-11.134 -22.996,-11.134 -13.396,-11.134 -46.396,-10.534 -45.796,-10.534 -45.196,-10.534 -44.596,-10.534 -43.996,-10.534 -43.396,-10.534 -42.796,-10.534 -42.196,-10.534 -41.596,-10.534 -40.996,-10.534 -40.396,-10.534 -39.796,-10.534 -39.196,-10.534 -38.596,-10.534 -37.996,-10.534 -37.396,-10.534 -36.796,-10.534 -36.196,-10.534 -35.596,-10.534 -31.396,-10.534 -30.796,-10.534 -30.196,-10.534 -29.596,-10.534 -28.996,-10.534 -28.396,-10.534 -27.796,-10.534 -27.196,-10.534 -26.596,-10.534 -25.996,-10.534 -25.396,-10.534 -24.796,-10.534 -24.196,-10.534 -23.596,-10.534 -22.996,-10.534 -46.396,-9.934 -45.796,-9.934 -45.196,-9.934 -44.596,-9.934 -43.996,-9.934 -43.396,-9.934 -42.796,-9.934 -42.196,-9.934 -41.596,-9.934 -40.996,-9.934 -40.396,-9.934 -39.796,-9.934 -39.196,-9.934 -38.596,-9.934 -37.996,-9.934 -37.396,-9.934 -36.796,-9.934 -36.196,-9.934 -35.596,-9.934 -31.396,-9.934 -30.796,-9.934 -30.196,-9.934 -29.596,-9.934 -28.996,-9.934 -28.396,-9.934 -27.796,-9.934 -27.196,-9.934 -26.596,-9.934 -25.996,-9.934 -25.396,-9.934 -24.796,-9.934 -24.196,-9.934 -23.596,-9.934 -22.996,-9.934 -46.396,-9.334 -45.796,-9.334 -45.196,-9.334 -44.596,-9.334 -43.996,-9.334 -43.396,-9.334 -42.796,-9.334 -42.196,-9.334 -41.596,-9.334 -40.996,-9.334 -31.396,-9.334 -30.796,-9.334 -30.196,-9.334 -29.596,-9.334 -28.996,-9.334 -28.396,-9.334 -27.796,-9.334 -27.196,-9.334 -26.596,-9.334 -25.996,-9.334 -25.396,-9.334 -24.796,-9.334 -24.196,-9.334 -23.596,-9.334 -22.996,-9.334 -17.596,-9.334 -13.396,-9.334 -46.396,-8.734 -45.796,-8.734 -45.196,-8.734 -44.596,-8.734 -43.996,-8.734 -43.396,-8.734 -42.796,-8.734 -42.196,-8.734 -41.596,-8.734 -40.996,-8.734 -31.396,-8.734 -30.796,-8.734 -30.196,-8.734 -29.596,-8.734 -28.996,-8.734 -28.396,-8.734 -27.796,-8.734 -27.196,-8.734 -46.396,-8.134 -45.796,-8.134 -45.196,-8.134 -44.596,-8.134 -43.996,-8.134 -43.396,-8.134 -42.796,-8.134 -42.196,-8.134 -41.596,-8.134 -40.996,-8.134 -31.396,-8.134 -30.796,-8.134 -30.196,-8.134 -29.596,-8.134 -28.996,-8.134 -28.396,-8.134 -27.796,-8.134 -46.396,-7.534 -45.796,-7.534 -45.196,-7.534 -44.596,-7.534 -43.996,-7.534 -43.396,-7.534 -42.796,-7.534 -42.196,-7.534 -41.596,-7.534 -40.996,-7.534 -36.196,-7.534 -35.596,-7.534 -31.396,-7.534 -30.796,-7.534 -30.196,-7.534 -29.596,-7.534 -28.996,-7.534 -28.396,-7.534 -46.396,-6.934 -45.796,-6.934 -45.196,-6.934 -44.596,-6.934 -43.996,-6.934 -43.396,-6.934 -42.796,-6.934 -42.196,-6.934 -41.596,-6.934 -40.996,-6.934 -36.196,-6.934 -35.596,-6.934 -31.396,-6.934 -30.796,-6.934 -30.196,-6.934 -29.596,-6.934 -28.996,-6.934 -25.396,-6.934 -24.796,-6.934 -24.196,-6.934 -23.596,-6.934 -22.996,-6.934 -18.196,-6.934 -10.396,-6.934 -46.396,-6.334 -45.796,-6.334 -45.196,-6.334 -44.596,-6.334 -43.996,-6.334 -43.396,-6.334 -42.796,-6.334 -42.196,-6.334 -41.596,-6.334 -40.996,-6.334 -36.196,-6.334 -35.596,-6.334 -31.396,-6.334 -30.796,-6.334 -30.196,-6.334 -29.596,-6.334 -25.996,-6.334 -25.396,-6.334 -24.796,-6.334 -24.196,-6.334 -23.596,-6.334 -22.996,-6.334 -18.196,-6.334 -10.396,-6.334 -46.396,-5.734 -45.796,-5.734 -45.196,-5.734 -44.596,-5.734 -43.996,-5.734 -43.396,-5.734 -42.796,-5.734 -42.196,-5.734 -41.596,-5.734 -40.996,-5.734 -38.596,-5.734 -36.196,-5.734 -35.596,-5.734 -31.396,-5.734 -30.796,-5.734 -30.196,-5.734 -26.596,-5.734 -25.996,-5.734 -25.396,-5.734 -24.796,-5.734 -24.196,-5.734 -23.596,-5.734 -22.996,-5.734 -22.396,-5.734 -18.796,-5.734 -18.196,-5.734 -10.396,-5.734 -46.396,-5.134 -45.796,-5.134 -45.196,-5.134 -44.596,-5.134 -43.996,-5.134 -43.396,-5.134 -42.796,-5.134 -42.196,-5.134 -41.596,-5.134 -40.996,-5.134 -40.396,-5.134 -39.796,-5.134 -39.196,-5.134 -38.596,-5.134 -27.196,-5.134 -26.596,-5.134 -25.996,-5.134 -25.396,-5.134 -24.796,-5.134 -24.196,-5.134 -23.596,-5.134 -22.996,-5.134 -22.396,-5.134 -21.796,-5.134 -21.196,-5.134 -20.596,-5.134 -19.996,-5.134 -19.396,-5.134 -18.796,-5.134 -18.196,-5.134 -10.396,-5.134 -46.396,-4.534 -45.796,-4.534 -45.196,-4.534 -44.596,-4.534 -43.996,-4.534 -43.396,-4.534 -42.796,-4.534 -42.196,-4.534 -41.596,-4.534 -40.996,-4.534 -40.396,-4.534 -39.796,-4.534 -39.196,-4.534 -38.596,-4.534 -27.796,-4.534 -27.196,-4.534 -26.596,-4.534 -25.996,-4.534 -25.396,-4.534 -24.796,-4.534 -24.196,-4.534 -23.596,-4.534 -22.996,-4.534 -22.396,-4.534 -21.796,-4.534 -21.196,-4.534 -20.596,-4.534 -19.996,-4.534 -17.596,-4.534 -16.996,-4.534 -16.396,-4.534 -15.796,-4.534 -15.196,-4.534 -14.596,-4.534 -13.996,-4.534 -13.396,-4.534 -12.796,-4.534 -12.196,-4.534 -11.596,-4.534 -46.396,-3.934 -45.796,-3.934 -45.196,-3.934 -44.596,-3.934 -43.996,-3.934 -43.396,-3.934 -42.796,-3.934 -42.196,-3.934 -41.596,-3.934 -40.996,-3.934 -40.396,-3.934 -39.796,-3.934 -39.196,-3.934 -38.596,-3.934 -37.996,-3.934 -28.396,-3.934 -27.796,-3.934 -27.196,-3.934 -26.596,-3.934 -25.996,-3.934 -25.396,-3.934 -24.796,-3.934 -24.196,-3.934 -23.596,-3.934 -22.996,-3.934 -22.396,-3.934 -21.796,-3.934 -21.196,-3.934 -20.596,-3.934 -19.996,-3.934 -17.596,-3.934 -16.996,-3.934 -16.396,-3.934 -15.796,-3.934 -15.196,-3.934 -14.596,-3.934 -13.996,-3.934 -13.396,-3.934 -12.796,-3.934 -12.196,-3.934 -11.596,-3.934